# KiCad board Z80ATmega128.kicad_pcb
title: Z80ATmega128 Board; date: 2023-09-26; rev: 2.00; company: 46nori
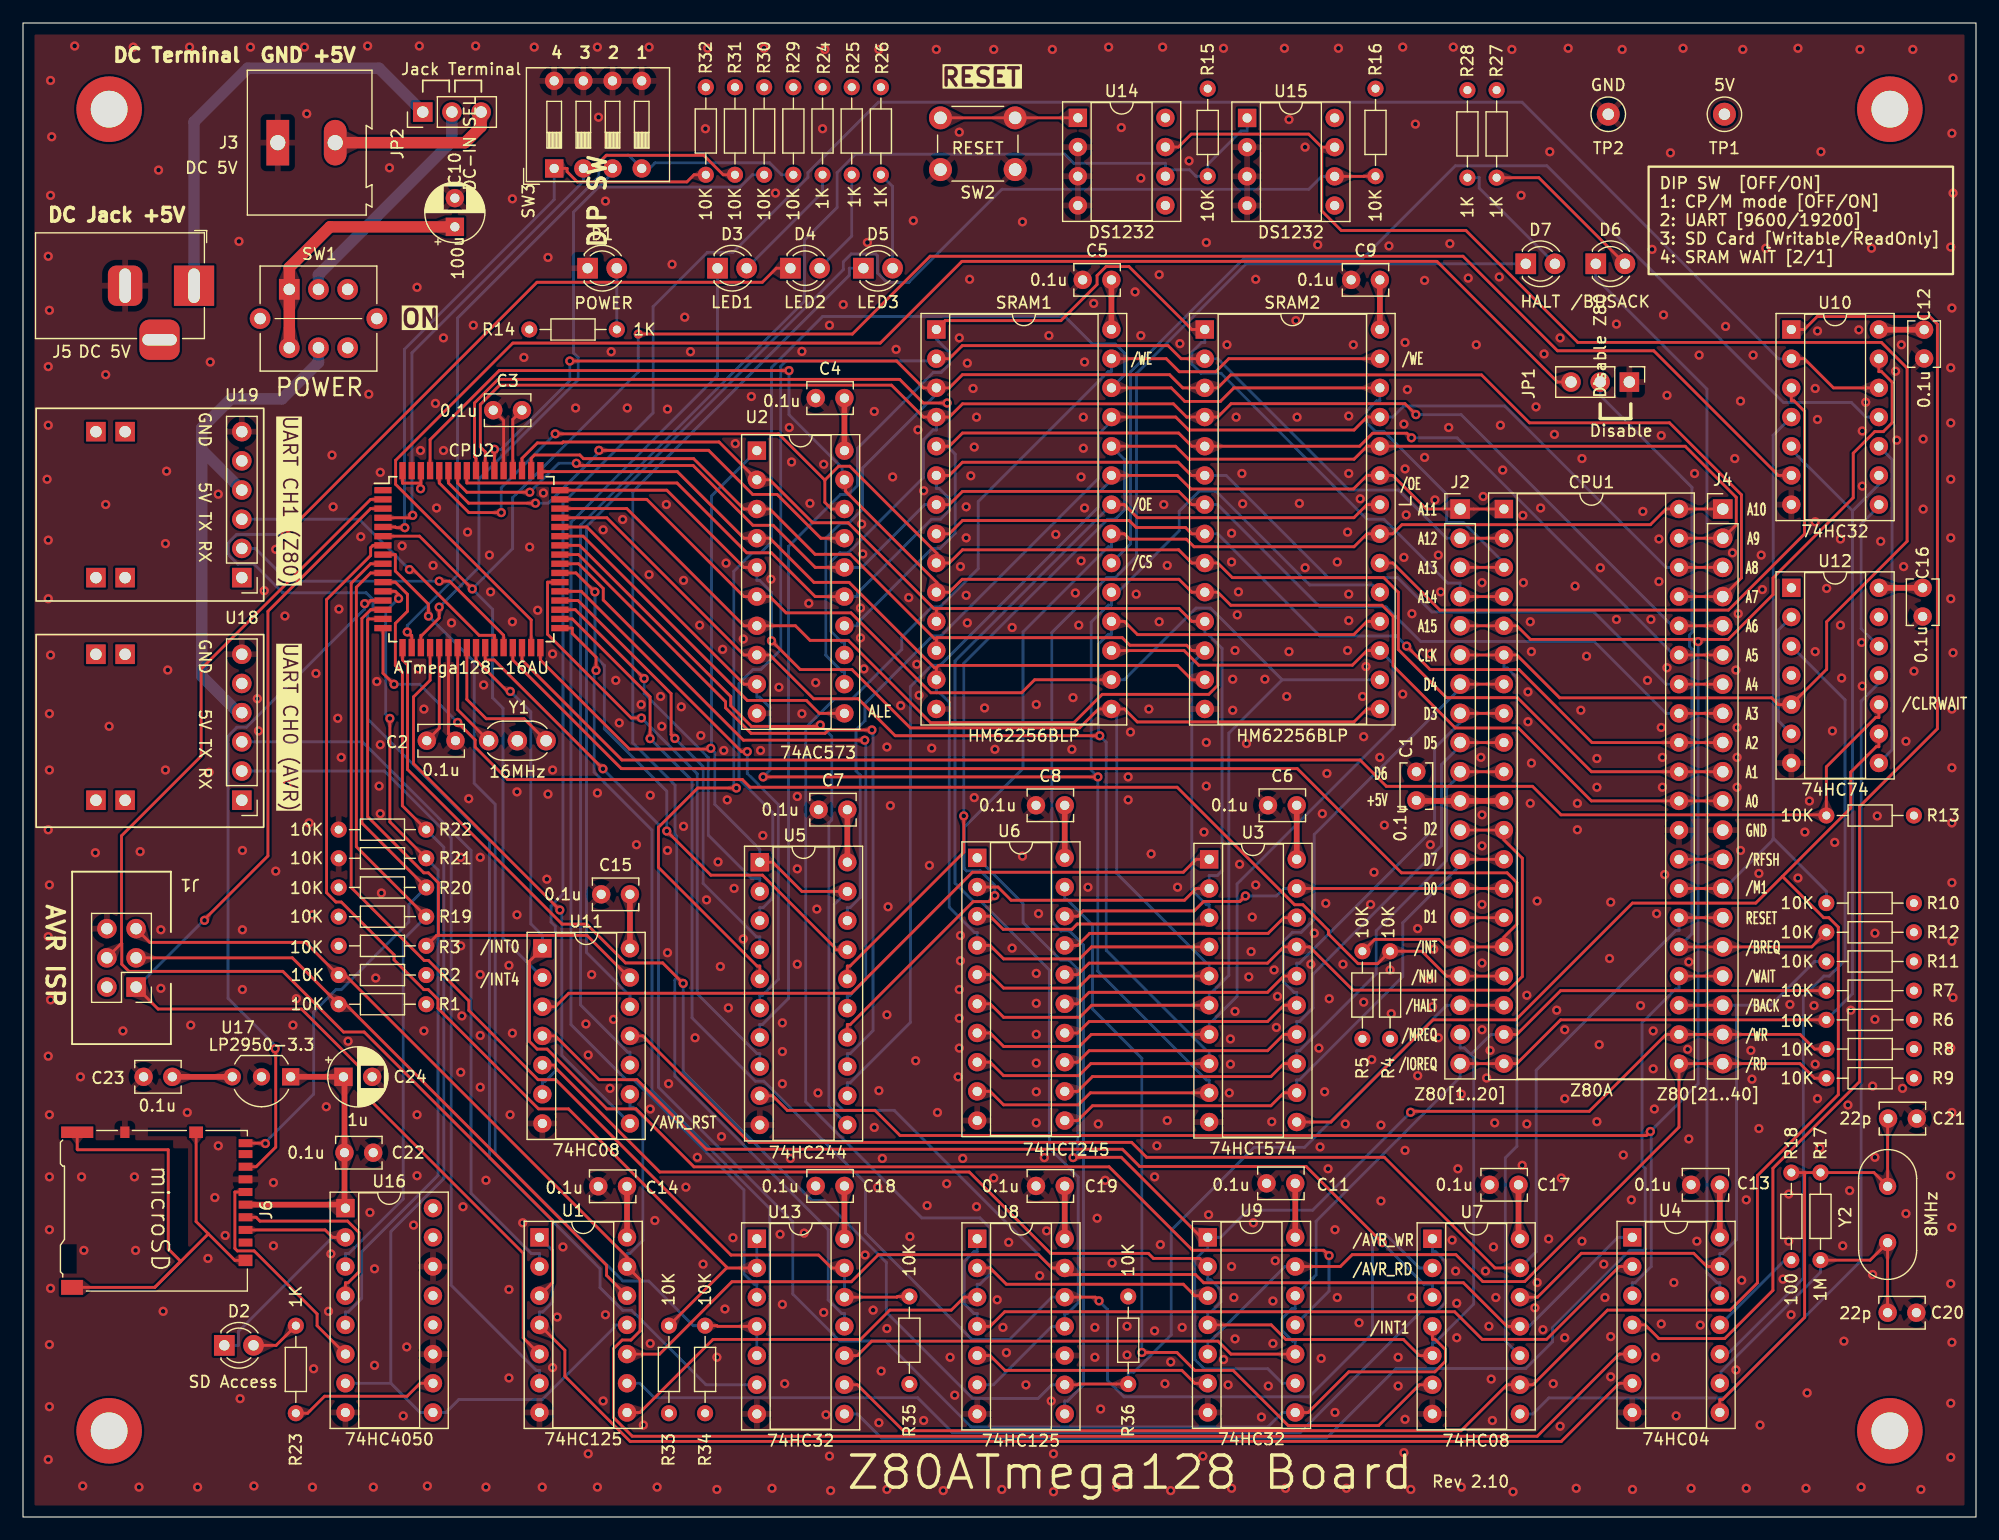
[diagram p0: board, top side]
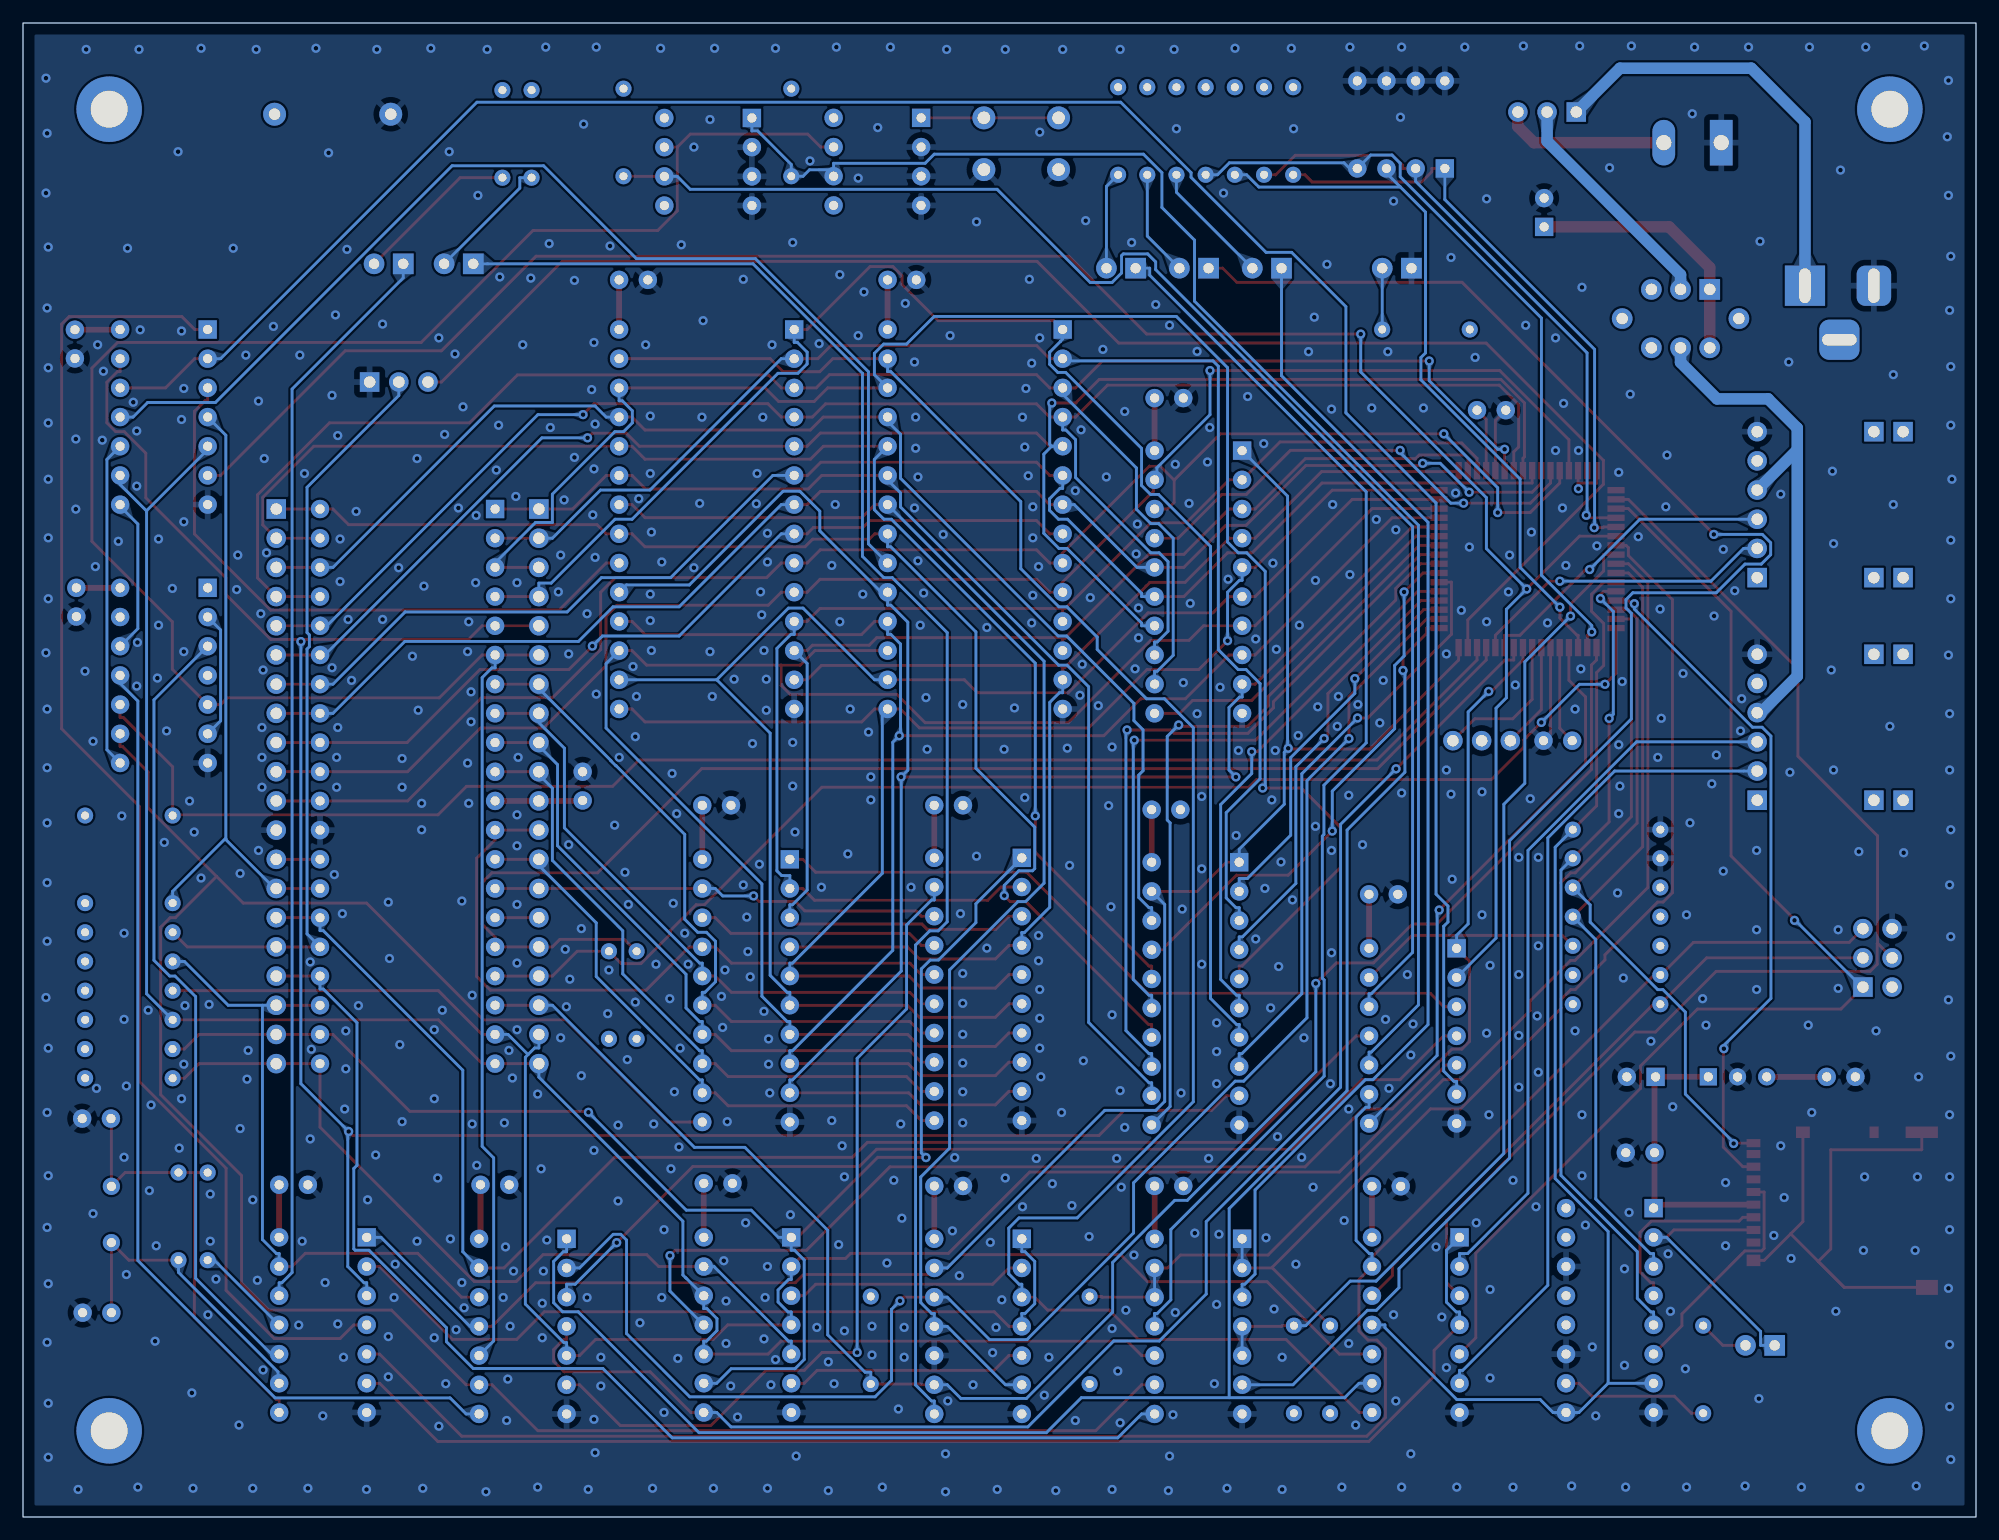
[diagram p1: board, bottom side, seen from below]

Outline 170 x 130 mm; copper layers: Top, In1.Cu (plane), In2.Cu (plane), Bottom. Coordinates in mm from the lower left corner of the outline.
Outline path: rectangle 0,130 170,0
Stack: Top 0.035mm / dielectric 0.1mm FR4 er 4.5 / In1.Cu 0.035mm / dielectric 1.24mm FR4 er 4.5 / In2.Cu 0.035mm / dielectric 0.1mm FR4 er 4.5 / Bottom 0.035mm

## Placement (name value [footprint] x y rotation side)
C1  0.1u  [C_Disc_D3.8mm_W2.6mm_P2.50mm]  121.28 64.85 270 top
C2  0.1u  [C_Disc_D3.8mm_W2.6mm_P2.50mm]  35.15 67.55 0 top
C3  0.1u  [C_Disc_D3.8mm_W2.6mm_P2.50mm]  40.93 96.31 0 top
C4  0.1u  [C_Disc_D3.8mm_W2.6mm_P2.50mm]  69 97.36 0 top
C5  0.1u  [C_Disc_D3.8mm_W2.6mm_P2.50mm]  92.24 107.65 0 top
C6  0.1u  [C_Disc_D3.8mm_W2.6mm_P2.50mm]  108.37 61.93 0 top
C7  0.1u  [C_Disc_D3.8mm_W2.6mm_P2.50mm]  69.25 61.55 0 top
C8  0.1u  [C_Disc_D3.8mm_W2.6mm_P2.50mm]  88.18 61.93 0 top
C9  0.1u  [C_Disc_D3.8mm_W2.6mm_P2.50mm]  115.61 107.65 0 top
C10  100u  [CP_Radial_D5.0mm_P2.50mm]  37.59 112.26 90 top
C11  0.1u  [C_Disc_D3.8mm_W2.6mm_P2.50mm]  108.24 29.03 0 top
C12  0.1u  [C_Disc_D3.8mm_W2.6mm_P2.50mm]  165.48 100.81 90 top
C13  0.1u  [C_Disc_D3.8mm_W2.6mm_P2.50mm]  145.2 28.91 0 top
C14  0.1u  [C_Disc_D3.8mm_W2.6mm_P2.50mm]  50.08 28.78 0 top
C15  0.1u  [C_Disc_D3.8mm_W2.6mm_P2.50mm]  50.33 54.18 0 top
C16  0.1u  [C_Disc_D3.8mm_W2.6mm_P2.50mm]  165.35 78.35 90 top
C17  0.1u  [C_Disc_D3.8mm_W2.6mm_P2.50mm]  127.68 28.91 0 top
C18  0.1u  [C_Disc_D3.8mm_W2.6mm_P2.50mm]  69 28.81 0 top
C19  0.1u  [C_Disc_D3.8mm_W2.6mm_P2.50mm]  88.18 28.81 0 top
C20  22p  [C_Disc_D3.8mm_W2.6mm_P2.50mm]  162.31 17.78 0 top
C21  22p  [C_Disc_D3.8mm_W2.6mm_P2.50mm]  164.85 34.67 180 top
C22  0.1u  [C_Disc_D3.8mm_W2.6mm_P2.50mm]  27.99 31.7 0 top
C23  0.1u  [C_Disc_D3.8mm_W2.6mm_P2.50mm]  13 38.3 180 top
C24  1u  [CP_Radial_D5.0mm_P2.50mm]  27.89 38.3 0 top
CPU1  Z80A  [DIP-40_W15.24mm_Socket]  128.91 87.71 0 top
CPU2  ATmega128-16AU  [TQFP-64_14x14mm_P0.8mm]  39.04 83.35 0 top
D1  POWER  [LED_D3.0mm]  49.14 108.66 0 top
D2  SD Access  [LED_D3.0mm]  17.53 14.94 0 top
D3  LED1  [LED_D3.0mm]  60.45 108.66 0 top
D4  LED2  [LED_D3.0mm]  66.8 108.66 0 top
D5  LED3  [LED_D3.0mm]  73.15 108.66 0 top
D6  /BUSACK  [LED_D3.0mm]  136.9 109.05 0 top
D7  HALT  [LED_D3.0mm]  130.81 109.05 0 top
J1  AVR-ISP-6  [BoxHeader_2x03_2.54mm]  8.57 48.65 180 top
J2  Z80[1..20]  [PinHeader_1x20_P2.54mm_Vertical]  125.09 87.71 0 top
J3  DC 5V  [TerminalBlock_Altech_AK300-2_P5.00mm]  22.18 119.59 0 top
J4  Z80[21..40]  [PinHeader_1x20_P2.54mm_Vertical]  147.96 87.71 0 top
J5  DC 5V  [BarrelJack_Horizontal]  14.89 107.14 0 top
J6  Micro_SD_Card_Det_Hirose_DM3AT  [microSD_HC_Hirose_DM3AT-SF-PEJM5]  11.64 26.66 270 top
JP1  Disable Z80  [PinHeader_1x03_P2.54mm_Vertical]  139.83 98.76 270 top
JP2  DC-IN SEL  [PinHeader_1x03_P2.54mm_Vertical]  34.8 122.25 90 top
R1  10K  [R_Axial_DIN0204_L3.6mm_D1.6mm_P7.62mm_Horizontal]  35.1 44.62 180 top
R2  10K  [R_Axial_DIN0204_L3.6mm_D1.6mm_P7.62mm_Horizontal]  35.1 47.16 180 top
R3  10K  [R_Axial_DIN0204_L3.6mm_D1.6mm_P7.62mm_Horizontal]  35.1 49.7 180 top
R4  10K  [R_Axial_DIN0204_L3.6mm_D1.6mm_P7.62mm_Horizontal]  119 41.61 90 top
R5  10K  [R_Axial_DIN0204_L3.6mm_D1.6mm_P7.62mm_Horizontal]  116.59 41.61 90 top
R6  10K  [R_Axial_DIN0204_L3.6mm_D1.6mm_P7.62mm_Horizontal]  164.59 43.26 180 top
R7  10K  [R_Axial_DIN0204_L3.6mm_D1.6mm_P7.62mm_Horizontal]  164.59 45.8 180 top
R8  10K  [R_Axial_DIN0204_L3.6mm_D1.6mm_P7.62mm_Horizontal]  164.6 40.72 180 top
R9  10K  [R_Axial_DIN0204_L3.6mm_D1.6mm_P7.62mm_Horizontal]  164.59 38.18 180 top
R10  10K  [R_Axial_DIN0204_L3.6mm_D1.6mm_P7.62mm_Horizontal]  164.59 53.42 180 top
R11  10K  [R_Axial_DIN0204_L3.6mm_D1.6mm_P7.62mm_Horizontal]  164.59 48.34 180 top
R12  10K  [R_Axial_DIN0204_L3.6mm_D1.6mm_P7.62mm_Horizontal]  156.97 50.88 0 top
R13  10K  [R_Axial_DIN0204_L3.6mm_D1.6mm_P7.62mm_Horizontal]  164.59 61.04 180 top
R14  1K  [R_Axial_DIN0204_L3.6mm_D1.6mm_P7.62mm_Horizontal]  51.69 103.33 180 top
R15  10K  [R_Axial_DIN0204_L3.6mm_D1.6mm_P7.62mm_Horizontal]  103.12 124.28 270 top
R16  10K  [R_Axial_DIN0204_L3.6mm_D1.6mm_P7.62mm_Horizontal]  117.73 124.28 270 top
R17  1M  [R_Axial_DIN0204_L3.6mm_D1.6mm_P7.62mm_Horizontal]  156.46 29.97 270 top
R18  100  [R_Axial_DIN0204_L3.6mm_D1.6mm_P7.62mm_Horizontal]  153.92 29.97 270 top
R19  10K  [R_Axial_DIN0204_L3.6mm_D1.6mm_P7.62mm_Horizontal]  35.1 52.24 180 top
R20  10K  [R_Axial_DIN0204_L3.6mm_D1.6mm_P7.62mm_Horizontal]  35.1 54.78 180 top
R21  10K  [R_Axial_DIN0204_L3.6mm_D1.6mm_P7.62mm_Horizontal]  35.1 57.32 180 top
R22  10K  [R_Axial_DIN0204_L3.6mm_D1.6mm_P7.62mm_Horizontal]  35.1 59.81 180 top
R23  1K  [R_Axial_DIN0204_L3.6mm_D1.6mm_P7.62mm_Horizontal]  23.75 16.65 270 top
R24  1K  [R_Axial_DIN0204_L3.6mm_D1.6mm_P7.62mm_Horizontal]  69.6 116.79 90 top
R25  1K  [R_Axial_DIN0204_L3.6mm_D1.6mm_P7.62mm_Horizontal]  72.14 116.79 90 top
R26  1K  [R_Axial_DIN0204_L3.6mm_D1.6mm_P7.62mm_Horizontal]  74.68 116.79 90 top
R27  1K  [R_Axial_DIN0204_L3.6mm_D1.6mm_P7.62mm_Horizontal]  128.27 116.54 90 top
R28  1K  [R_Axial_DIN0204_L3.6mm_D1.6mm_P7.62mm_Horizontal]  125.73 124.16 270 top
R29  10K  [R_Axial_DIN0204_L3.6mm_D1.6mm_P7.62mm_Horizontal]  67.06 124.41 270 top
R30  10K  [R_Axial_DIN0204_L3.6mm_D1.6mm_P7.62mm_Horizontal]  64.52 124.41 270 top
R31  10K  [R_Axial_DIN0204_L3.6mm_D1.6mm_P7.62mm_Horizontal]  61.98 124.41 270 top
R32  10K  [R_Axial_DIN0204_L3.6mm_D1.6mm_P7.62mm_Horizontal]  59.44 124.41 270 top
R33  10K  [R_Axial_DIN0204_L3.6mm_D1.6mm_P7.62mm_Horizontal]  56.22 9.03 90 top
R34  10K  [R_Axial_DIN0204_L3.6mm_D1.6mm_P7.62mm_Horizontal]  59.38 9.03 90 top
R35  10K  [R_Axial_DIN0204_L3.6mm_D1.6mm_P7.62mm_Horizontal]  77.16 11.57 90 top
R36  10K  [R_Axial_DIN0204_L3.6mm_D1.6mm_P7.62mm_Horizontal]  96.2 19.19 270 top
REF1  MountingHole_Pad  [MountingHole_3.2mm_M3_ISO7380_Pad]  7.5 122.5 0 top
REF2  MountingHole_Pad  [MountingHole_3.2mm_M3_ISO7380_Pad]  162.5 122.5 0 top
REF3  MountingHole_Pad  [MountingHole_3.2mm_M3_ISO7380_Pad]  7.5 7.5 0 top
REF4  MountingHole_Pad  [MountingHole_3.2mm_M3_ISO7380_Pad]  162.5 7.5 0 top
SRAM1  HM62256BLP  [DIP-28_W15.24mm_Socket]  79.5 103.33 0 top
SRAM2  HM62256BLP  [DIP-28_W15.24mm_Socket]  102.87 103.33 0 top
SW1  POWER  [2MD1-T1-B4-VS2-Q-E]  25.72 104.28 0 top
SW2  RESET  [SW_PUSH_6mm_H7.3mm]  86.36 117.25 180 top
SW3  DIP SW  [SW_DIP_SPSTx04_Slide_9.78x12.34mm_W7.62mm_P2.54mm]  46.24 117.34 90 top
TP1  5V  [TestPoint_Loop_D2.50mm_Drill1.0mm]  148.1 122.06 0 top
TP2  GND  [TestPoint_Loop_D2.50mm_Drill1.0mm]  137.99 122.06 0 top
U1  74HC125  [DIP-14_W7.62mm_Socket]  44.96 24.34 0 top
U2  74AC573  [DIP-20_W7.62mm_Socket]  63.88 92.79 0 top
U3  74HCT574  [DIP-20_W7.62mm_Socket]  103.25 57.23 0 top
U4  74HC04  [DIP-14_W7.62mm_Socket]  140.08 24.34 0 top
U5  74HC244  [DIP-20_W7.62mm_Socket]  64.14 56.97 0 top
U6  74HCT245  [DIP-20_W7.62mm_Socket]  83.06 57.36 0 top
U7  74HC08  [DIP-14_W7.62mm_Socket]  122.68 24.21 0 top
U8  74HC125  [DIP-14_W7.62mm_Socket]  83.06 24.21 0 top
U9  74HC32  [DIP-14_W7.62mm_Socket]  103.12 24.34 0 top
U10  74HC32  [DIP-14_W7.62mm_Socket]  153.92 103.33 0 top
U11  74HC08  [DIP-14_W7.62mm_Socket]  45.21 49.48 0 top
U12  74HC74  [DIP-14_W7.62mm_Socket]  153.92 80.85 0 top
U13  74HC32  [DIP-14_W7.62mm_Socket]  63.88 24.21 0 top
U14  DS1232  [DIP-8_W7.62mm_Socket]  91.82 121.75 0 top
U15  DS1232  [DIP-8_W7.62mm_Socket]  106.55 121.73 0 top
U16  74HC4050  [DIP-16_W7.62mm_Socket]  28.07 26.88 0 top
U17  LP2950-3.3  [TO-92_Inline_Wide]  23.3 38.3 180 top
U18  AE-CH340E-TYPEC  [AE-CH340E-TYPECH]  19.05 75.07 0 top
U19  AE-CH340E-TYPEC  [AE-CH340E-TYPECH]  19.05 94.44 0 top
Y1  16MHz  [Resonator_Murata_CSTLSxxxX-3Pin_W5.5mm_H3.0mm]  40.53 67.55 0 top
Y2  8MHz  [Crystal_HC18-U_Vertical]  162.31 28.77 270 top

## Library data of the parts
C1-C9 C11-C19 C22 C23 = -: Description: Unpolarized capacitor; 部品名: 0.1uF/50V 積層セラミックコンデンサ
C10 = -: Description: Polarized capacitor; 部品名: 100uF/25V 電解コンデンサ
C20 C21 = -: Description: Unpolarized capacitor; 部品名: 22pF/50V 積層セラミックコンデンサ
C24 = -: Description: Polarized capacitor; 部品名: 1uF/50V 電解コンデンサ
CPU1 = -: Description: 8-bit General Purpose Microprocessor, DIP-40; 部品名: Z80A CPU (NMOS)
CPU2 = -: Description: 16MHz, 128kB Flash, 4kB SRAM, 4kB EEPROM, JTAG, TQFP-64; 部品名: ATmega128-16A
D1 = -: Description: Light emitting diode; 部品名: LED (緑)
D2 D4-D6 = -: Description: Light emitting diode; 部品名: LED (赤)
D3 = -: Description: Light emitting diode; 部品名: LED (青)
D7 = -: Description: Light emitting diode; 部品名: LED (黄)
J1 = -: Description: Atmel 6-pin ISP connector; 購入先(参考): https://akizukidenshi.com/catalog/g/gC-13175/; 部品名: ボックスヘッダ 2x3
J2 J4 = -: Description: Generic connector, single row, 01x20, script generated; 購入先(参考): https://akizukidenshi.com/catalog/g/gC-00167/; 部品名: ピンヘッダ 1x20
J3 = -: Description: Generic screw terminal, single row, 01x02, script generated (kicad-library-utils/schlib/autogen/connector/); 購入先(参考): https://akizukidenshi.com/catalog/g/gP-01306/; 部品名: ターミナルブロック
J5 = -: Description: coaxial connector (BNC, SMA, SMB, SMC, Cinch/RCA, LEMO, ...); 購入先(参考): https://akizukidenshi.com/catalog/g/gC-06568/; 部品名: 2.1mm標準DCジャック
J6 = -: Description: Micro SD Card Socket with card detection pins; 購入先(参考): https://akizukidenshi.com/catalog/g/gC-02395/; 部品名: microSDカード用コネクタ
JP1 JP2 = -: Description: Jumper, 3-pole, both open; 部品名: ピンヘッダ 1x3
R1-R36 = -: Description: Resistor; 部品名: 1/4Wカーボン抵抗
REF1-REF4 = -: Description: Mounting Hole with connection
SRAM1 SRAM2 = -: Description: 32,768-word × 8-bit High Speed CMOS Static RAM, 70ns, DIP-28; 部品名: 256KBit SRAM
SW1 = -: 購入先(参考): https://akizukidenshi.com/catalog/g/gP-00301/; 部品名: トグルスイッチ 2回路2接点
SW2 = -: Description: Push button switch, generic, two pins; 購入先(参考): https://akizukidenshi.com/catalog/g/gP-03647/; 部品名: タクトスイッチ
SW3 = -: Description: 4x DIP Switch, Single Pole Single Throw (SPST) switch, small symbol; 購入先(参考): https://akizukidenshi.com/catalog/g/gP-00586/; 部品名: 4連DIPスイッチ
TP1 = -: Description: test point; 購入先(参考): https://akizukidenshi.com/catalog/g/gP-07588/; 部品名: チェック端子(赤)
TP2 = -: Description: test point; 購入先(参考): https://akizukidenshi.com/catalog/g/gP-07591/; 部品名: チェック端子(黒)
U1 U8 = -: Description: Quad buffer 3-State outputs
U2 = -: Description: 8-bit Latch 3-state outputs
U3 = -: Description: 8-bit Register, 3-state outputs
U4 = -: Description: Hex Inverter
U5 = -: Description: 8-bit Buffer/Line Driver 3-state
U6 = -: Description: Octal BUS Transceivers, 3-State outputs
U7 U11 = -: Description: Quad And2
U9 U10 U13 = -: Description: Quad 2-input OR
U12 = -: Description: Dual D Flip-flop, Set & Reset
U14 U15 = -: Description: Micro Monitor; 購入先(参考): https://akizukidenshi.com/catalog/g/gI-15313/; 部品名: DS1232 マイクロモニターチップ
U16 = -: Description: Hex Buffer
U17 = -: Description: Positive 100mA 30V Linear Micropower Voltage Regulator, Fixed Output 3.3V, TO-92; 部品名: LP2950-3.3 3.3V三端子レギュレータ
U18 U19 = -: Description: USB-C Serial converter module; 購入先(参考): https://akizukidenshi.com/catalog/g/gK-14745/; 部品名: USB-Cシリアル変換モジュール
Y1 = -: Description: Three pin ceramic resonator; 購入先(参考): https://akizukidenshi.com/catalog/g/gP-09576/; 部品名: 16MHz セラミック発振子
Y2 = -: Description: Two pin crystal; 購入先(参考): https://akizukidenshi.com/catalog/g/gP-08667/; 部品名: 8MHz 水晶発振子

## Footprints (pads in the part's own frame, mm; a bottom-side part is the same pattern mirrored in y, then rotated)
2MD1-T1-B4-VS2-Q-E
  rect 1.8x1.8 hole 1: 1(-2.54,2.54)
  round 1.8 hole 1: 2(0,2.54) 3(2.54,2.54) 4(-2.54,-2.54) 5(0,-2.54) 6(2.54,-2.54) 7(-5.08,0) 8(5.08,0)
AE-CH340E-TYPECH
  rect 1.7x1.7 hole 1: 1(0,-12.7) 7(-12.7,0) 8(-10.16,0) 9(-12.7,-12.7) 10(-10.16,-12.7)
  oval 1.7x1.7 hole 1: 2(0,-10.16) 3(0,-7.62) 4(0,-5.08) 5(0,-2.54) 6(0,0)
BarrelJack_Horizontal
  rect 3.5x3.5 hole 1x3: 1(0,0)
  rrect 3x3.5 hole 1x3: 2(-6,0)
  rrect 3.5x3.5 hole 3x1: 3(-3,-4.7)
BoxHeader_2x03_2.54mm
  rect 1.7x1.7 hole 1: 1(-1.27,2.54)
  oval 1.7x1.7 hole 1: 2(1.27,2.54) 3(-1.27,0) 4(1.27,0) 5(-1.27,-2.54) 6(1.27,-2.54)
C_Disc_D3.8mm_W2.6mm_P2.50mm
  round 1.6 hole 0.8: 1(0,0) 2(2.5,0)
CP_Radial_D5.0mm_P2.50mm
  rect 1.6x1.6 hole 0.8: 1(0,0)
  round 1.6 hole 0.8: 2(2.5,0)
Crystal_HC18-U_Vertical
  round 1.5 hole 0.8: 1(0,0) 2(4.9,0)
DIP-8_W7.62mm_Socket
  rect 1.6x1.6 hole 0.8: 1(0,0)
  oval 1.6x1.6 hole 0.8: 2(0,-2.54) 3(0,-5.08) 4(0,-7.62) 5(7.62,-7.62) 6(7.62,-5.08) 7(7.62,-2.54) 8(7.62,0)
DIP-14_W7.62mm_Socket
  rect 1.6x1.6 hole 0.8: 1(0,0)
  oval 1.6x1.6 hole 0.8: 2(0,-2.54) 3(0,-5.08) 4(0,-7.62) 5(0,-10.16) 6(0,-12.7) 7(0,-15.24) 8(7.62,-15.24) 9(7.62,-12.7) 10(7.62,-10.16) 11(7.62,-7.62) 12(7.62,-5.08) 13(7.62,-2.54) 14(7.62,0)
DIP-16_W7.62mm_Socket
  rect 1.6x1.6 hole 0.8: 1(0,0)
  oval 1.6x1.6 hole 0.8: 2(0,-2.54) 3(0,-5.08) 4(0,-7.62) 5(0,-10.16) 6(0,-12.7) 7(0,-15.24) 8(0,-17.78) 9(7.62,-17.78) 10(7.62,-15.24) 11(7.62,-12.7) 12(7.62,-10.16) 13(7.62,-7.62) 14(7.62,-5.08) 15(7.62,-2.54) 16(7.62,0)
DIP-20_W7.62mm_Socket
  rect 1.6x1.6 hole 0.8: 1(0,0)
  oval 1.6x1.6 hole 0.8: 2(0,-2.54) 3(0,-5.08) 4(0,-7.62) 5(0,-10.16) 6(0,-12.7) 7(0,-15.24) 8(0,-17.78) 9(0,-20.32) 10(0,-22.86) 11(7.62,-22.86) 12(7.62,-20.32) 13(7.62,-17.78) 14(7.62,-15.24) 15(7.62,-12.7) 16(7.62,-10.16) 17(7.62,-7.62) 18(7.62,-5.08) 19(7.62,-2.54) 20(7.62,0)
DIP-28_W15.24mm_Socket
  rect 1.6x1.6 hole 0.8: 1(0,0)
  oval 1.6x1.6 hole 0.8: 2(0,-2.54) 3(0,-5.08) 4(0,-7.62) 5(0,-10.16) 6(0,-12.7) 7(0,-15.24) 8(0,-17.78) 9(0,-20.32) 10(0,-22.86) 11(0,-25.4) 12(0,-27.94) 13(0,-30.48) 14(0,-33.02) 15(15.24,-33.02) 16(15.24,-30.48) 17(15.24,-27.94) 18(15.24,-25.4) 19(15.24,-22.86) 20(15.24,-20.32) 21(15.24,-17.78) 22(15.24,-15.24) 23(15.24,-12.7) 24(15.24,-10.16) 25(15.24,-7.62) 26(15.24,-5.08) 27(15.24,-2.54) 28(15.24,0)
DIP-40_W15.24mm_Socket
  rect 1.6x1.6 hole 0.8: 1(0,0)
  oval 1.6x1.6 hole 0.8: 2(0,-2.54) 3(0,-5.08) 4(0,-7.62) 5(0,-10.16) 6(0,-12.7) 7(0,-15.24) 8(0,-17.78) 9(0,-20.32) 10(0,-22.86) 11(0,-25.4) 12(0,-27.94) 13(0,-30.48) 14(0,-33.02) 15(0,-35.56) 16(0,-38.1) 17(0,-40.64) 18(0,-43.18) 19(0,-45.72) 20(0,-48.26) 21(15.24,-48.26) 22(15.24,-45.72) 23(15.24,-43.18) 24(15.24,-40.64) 25(15.24,-38.1) 26(15.24,-35.56) 27(15.24,-33.02) 28(15.24,-30.48) 29(15.24,-27.94) 30(15.24,-25.4) 31(15.24,-22.86) 32(15.24,-20.32) 33(15.24,-17.78) 34(15.24,-15.24) 35(15.24,-12.7) 36(15.24,-10.16) 37(15.24,-7.62) 38(15.24,-5.08) 39(15.24,-2.54) 40(15.24,0)
LED_D3.0mm
  rect 1.8x1.8 hole 0.9: 1(0,0)
  round 1.8 hole 0.9: 2(2.54,0)
microSD_HC_Hirose_DM3AT-SF-PEJM5
  rect 0.7x1.2 smd: 1(2.775,7.725) 2(1.675,7.725) 3(0.575,7.725) 4(-0.525,7.725) 5(-1.625,7.725) 6(-2.725,7.725) 7(-3.825,7.725) 8(-4.925,7.725) 9(-5.875,7.725)
  rect 1x0.8 smd: 10(-6.825,-2.775)
  rect 1x1.2 smd: 11(-6.825,3.425) 11(4.325,7.725)
  rect 1x2.8 smd: 11(-6.825,-6.925)
  rect 1.3x1.9 smd: 11(6.675,-7.375)
MountingHole_3.2mm_M3_ISO7380_Pad
  round 5.7 hole 3.2: 1(0,0)
PinHeader_1x03_P2.54mm_Vertical
  rect 1.7x1.7 hole 1: 1(0,0)
  oval 1.7x1.7 hole 1: 2(0,-2.54) 3(0,-5.08)
PinHeader_1x20_P2.54mm_Vertical
  rect 1.7x1.7 hole 1: 1(0,0)
  oval 1.7x1.7 hole 1: 2(0,-2.54) 3(0,-5.08) 4(0,-7.62) 5(0,-10.16) 6(0,-12.7) 7(0,-15.24) 8(0,-17.78) 9(0,-20.32) 10(0,-22.86) 11(0,-25.4) 12(0,-27.94) 13(0,-30.48) 14(0,-33.02) 15(0,-35.56) 16(0,-38.1) 17(0,-40.64) 18(0,-43.18) 19(0,-45.72) 20(0,-48.26)
R_Axial_DIN0204_L3.6mm_D1.6mm_P7.62mm_Horizontal
  round 1.4 hole 0.7: 1(0,0)
  oval 1.4x1.4 hole 0.7: 2(7.62,0)
Resonator_Murata_CSTLSxxxX-3Pin_W5.5mm_H3.0mm
  round 1.7 hole 1: 1(0,0) 2(2.5,0) 3(5,0)
SW_DIP_SPSTx04_Slide_9.78x12.34mm_W7.62mm_P2.54mm
  rect 1.6x1.6 hole 0.8: 1(0,0)
  oval 1.6x1.6 hole 0.8: 2(0,-2.54) 3(0,-5.08) 4(0,-7.62) 5(7.62,-7.62) 6(7.62,-5.08) 7(7.62,-2.54) 8(7.62,0)
SW_PUSH_6mm_H7.3mm
  round 2 hole 1.1: 1(0,0) 1(6.5,0) 2(0,-4.5) 2(6.5,-4.5)
TerminalBlock_Altech_AK300-2_P5.00mm
  rect 1.98x3.96 hole 1.32: 1(0,0)
  oval 1.98x3.96 hole 1.32: 2(5,0)
TestPoint_Loop_D2.50mm_Drill1.0mm
  round 2 hole 1: 1(0,0)
TO-92_Inline_Wide
  rect 1.5x1.5 hole 0.8: 1(0,0)
  round 1.5 hole 0.8: 2(2.54,0) 3(5.08,0)
TQFP-64_14x14mm_P0.8mm
  rect 1.5x0.55 smd: 1(-7.7,6) 2(-7.7,5.2) 3(-7.7,4.4) 4(-7.7,3.6) 5(-7.7,2.8) 6(-7.7,2) 7(-7.7,1.2) 8(-7.7,0.4) 9(-7.7,-0.4) 10(-7.7,-1.2) 11(-7.7,-2) 12(-7.7,-2.8) 13(-7.7,-3.6) 14(-7.7,-4.4) 15(-7.7,-5.2) 16(-7.7,-6) 33(7.7,-6) 34(7.7,-5.2) 35(7.7,-4.4) 36(7.7,-3.6) 37(7.7,-2.8) 38(7.7,-2) 39(7.7,-1.2) 40(7.7,-0.4) 41(7.7,0.4) 42(7.7,1.2) 43(7.7,2) 44(7.7,2.8) 45(7.7,3.6) 46(7.7,4.4) 47(7.7,5.2) 48(7.7,6)
  rect 0.55x1.5 smd: 17(-6,-7.7) 18(-5.2,-7.7) 19(-4.4,-7.7) 20(-3.6,-7.7) 21(-2.8,-7.7) 22(-2,-7.7) 23(-1.2,-7.7) 24(-0.4,-7.7) 25(0.4,-7.7) 26(1.2,-7.7) 27(2,-7.7) 28(2.8,-7.7) 29(3.6,-7.7) 30(4.4,-7.7) 31(5.2,-7.7) 32(6,-7.7) 49(6,7.7) 50(5.2,7.7) 51(4.4,7.7) 52(3.6,7.7) 53(2.8,7.7) 54(2,7.7) 55(1.2,7.7) 56(0.4,7.7) 57(-0.4,7.7) 58(-1.2,7.7) 59(-2,7.7) 60(-2.8,7.7) 61(-3.6,7.7) 62(-4.4,7.7) 63(-5.2,7.7) 64(-6,7.7)
